# Altium PCB Mosaic-Alto.PcbDoc (part 2 of 2)
Units mm, origin at the board's own origin, x right, y up, seen from the top; angles counter-clockwise.
Board outline 95 x 75 mm, 4 copper layers (L1, L2, L3, L4), stack 1.546 mm thick; 121 components, 132 nets, 908 pads, 395 vias.
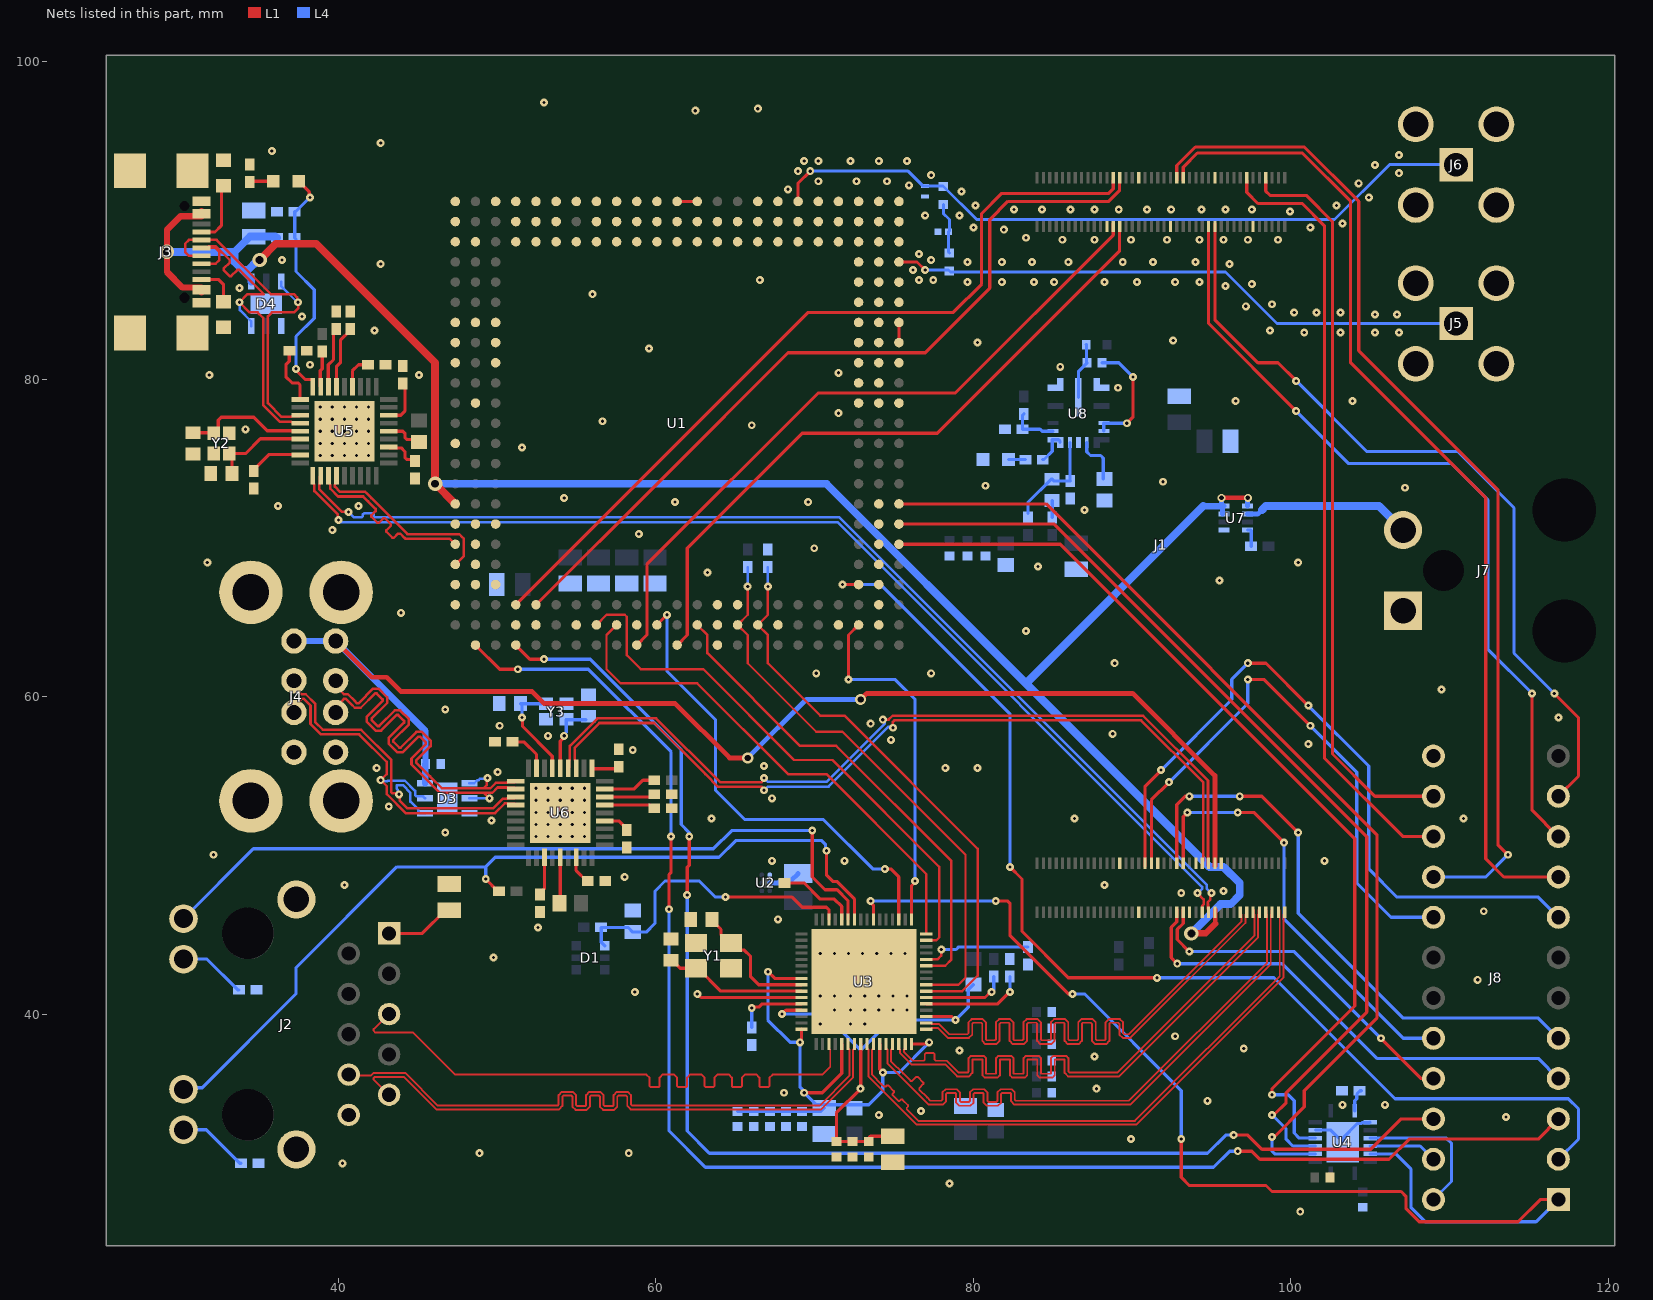
[diagram p4: the nets of this part, all layers, seen from the top]

## Via types
v1: diameter 0.5, hole 0.2, L1 to L4, 378 vias
v2: diameter 0.9, hole 0.5, L1 to L4, 9 vias
v3: diameter 0.6, hole 0.3, L1 to L4, 4 vias
v4: diameter 0.5, hole 0.3, L1 to L4, 2 vias
v5: diameter 0.7, hole 0.4, L1 to L4, 2 vias

## Nets (pads, with @x,y where several pads share a name; then routed paths per layer and width w, separated by ;. In a path a pad name is that pad's centre, name@x,y a point inside that pad or via, vN(x,y) a via of type N, cw(c..) or ccw(c..) an arc to the next point about the centre after c; other vN are vias at no path point) (continued)
ETH_1C_P: J2.P5 U3.3 | length 39.4
  L1 w0.12: J2.P5@43.18,40.005 42.229,39.054 42.229,38.955 42.34,38.844 44.722,38.844 47.371,36.195 58.31,36.195 59.401,36.195 59.609,35.986 59.609,35.473 59.672,35.411 60.175,35.411 60.237,35.473 60.237,36.002 60.438,36.203 61.136,36.203 61.337,36.002 61.337,35.473 61.4,35.411 61.903,35.411 61.965,35.473 61.965,36.002 62.166,36.203 62.864,36.203 63.065,36.002 63.065,35.473 63.128,35.411 63.631,35.411 63.693,35.473 63.693,36.002 63.894,36.203 64.592,36.203 64.793,36.002 64.793,35.473 64.856,35.411 65.359,35.411 65.421,35.473 65.421,36.002 65.622,36.203 66.32,36.203 66.521,36.002 66.521,35.473 66.584,35.411 67.087,35.411 67.149,35.473 67.149,35.986 67.358,36.195 68.542,36.195 70.485,36.195 70.986,36.696 70.986,37.764 70.904,37.846 U3.3@70.904,38.125
ETH_1D_N: J2.P9 U3.7 | length 39.9
  L1 w0.12: J2.P9@43.18,34.925 42.229,35.876 42.229,35.975 42.299,36.046 44.139,36.046 46.176,34.008 53.68,34.008 53.907,34.008 54.116,34.216 54.116,34.805 54.178,34.868 54.681,34.868 54.744,34.805 54.744,34.17 54.945,33.969 55.643,33.969 55.844,34.17 55.844,34.805 55.906,34.868 56.409,34.868 56.472,34.805 56.472,34.17 56.673,33.969 57.371,33.969 57.572,34.17 57.572,34.805 57.634,34.868 58.137,34.868 58.2,34.805 58.2,34.216 58.408,34.008 58.801,34.008 70.41,34.008 72.422,36.02 72.422,37.764 72.504,37.846 U3.7@72.504,38.125
ETH_1D_P: J2.P8 U3.6 | length 39.7
  L1 w0.12: J2.P8@40.64,36.195 40.693,36.142 42.062,36.142 42.202,36.282 44.236,36.282 46.274,34.244 53.68,34.244 53.809,34.244 53.88,34.314 53.88,34.903 54.081,35.104 54.779,35.104 54.98,34.903 54.98,34.268 55.042,34.205 55.545,34.205 55.608,34.268 55.608,34.903 55.809,35.104 56.507,35.104 56.708,34.903 56.708,34.268 56.77,34.205 57.273,34.205 57.336,34.268 57.336,34.903 57.537,35.104 58.235,35.104 58.436,34.903 58.436,34.314 58.506,34.244 58.801,34.244 70.312,34.244 72.186,36.118 72.186,37.764 72.104,37.846 U3.6@72.104,38.125
ETH_2A_N: J1.3 U3.10 | length 37.5
  L1 w0.12: U3.10@73.704,38.125 73.704,37.846 73.622,37.764 73.622,36.186 74.208,35.6 74.373,35.434 74.473,35.434 74.549,35.51 74.638,35.51 74.993,35.155 74.993,35.066 74.912,34.985 74.912,34.896 75.267,34.541 75.356,34.541 75.437,34.622 75.526,34.622 75.881,34.267 75.881,34.178 75.805,34.102 75.805,34.003 76.292,33.516 76.534,33.274 90.17,33.274 99.293,42.397 99.293,46.269 99.266,46.296 99.266,46.554 J1.3@99.211,46.609
ETH_2A_P: J1.1 U3.9 | length 37.7
  L1 w0.12: U3.9@73.304,38.125 73.304,37.846 73.386,37.764 73.386,36.088 76.436,33.038 90.268,33.038 99.529,42.299 99.529,46.269 99.556,46.296 99.556,46.554 J1.1@99.611,46.609
ETH_2B_N: J1.7 U3.13 | length 37.4
  L1 w0.12: U3.13@74.904,38.125 74.904,37.846 74.822,37.764 74.822,37.018 75.567,36.273 76.049,35.791 76.148,35.791 76.405,36.048 76.493,36.048 76.849,35.693 76.849,35.604 76.592,35.347 76.592,35.248 77.079,34.761 77.296,34.544 77.851,34.544 77.98,34.544 78.05,34.614 78.05,35.07 78.251,35.271 78.949,35.271 79.15,35.07 79.15,34.531 79.213,34.468 79.716,34.468 79.778,34.531 79.778,35.07 79.979,35.271 80.677,35.271 80.878,35.07 80.878,34.531 80.941,34.468 81.444,34.468 81.506,34.531 81.506,35.07 81.707,35.271 82.405,35.271 82.606,35.07 82.606,34.614 82.677,34.544 82.817,34.544 89.789,34.544 98.493,43.248 98.493,46.269 98.466,46.296 98.466,46.554 J1.7@98.411,46.609
ETH_2B_P: J1.5 U3.12 | length 37.3
  L1 w0.12: U3.12@74.504,38.125 74.504,37.846 74.586,37.764 74.586,36.92 77.198,34.308 77.851,34.308 78.078,34.308 78.286,34.517 78.286,34.972 78.349,35.035 78.852,35.035 78.914,34.972 78.914,34.433 79.115,34.232 79.813,34.232 80.014,34.433 80.014,34.972 80.077,35.035 80.58,35.035 80.642,34.972 80.642,34.433 80.843,34.232 81.541,34.232 81.742,34.433 81.742,34.972 81.805,35.035 82.308,35.035 82.37,34.972 82.37,34.517 82.579,34.308 82.817,34.308 89.887,34.308 98.729,43.15 98.729,46.269 98.756,46.296 98.756,46.554 J1.5@98.811,46.609
ETH_2C_N: J1.11 U3.15 | length 37.3
  L1 w0.12: U3.15@75.704,38.125 75.704,37.846 75.622,37.764 75.622,37.635 76.191,37.066 76.864,37.066 76.934,37.136 76.934,37.49 76.997,37.552 77.499,37.552 77.562,37.49 77.562,37.136 77.632,37.066 78.32,37.066 78.33,37.066 79.074,36.322 79.502,36.322 79.631,36.322 79.701,36.392 79.701,37.233 79.84,37.372 80.663,37.372 80.801,37.233 80.801,36.247 81.429,36.247 81.429,37.233 81.568,37.372 82.391,37.372 82.529,37.233 82.529,36.247 83.157,36.247 83.157,37.233 83.296,37.372 84.119,37.372 84.257,37.233 84.257,36.247 84.885,36.247 84.885,37.233 85.024,37.372 85.847,37.372 85.985,37.233 85.985,36.392 86.056,36.322 87.503,36.322 89.074,36.322 97.693,44.941 97.693,46.155 97.693,46.269 97.666,46.296 97.666,46.554 J1.11@97.611,46.609
ETH_2C_P: J1.9 U3.14 | length 37.3
  L1 w0.12: U3.14@75.304,38.125 75.304,37.846 75.386,37.764 75.386,37.537 76.093,36.83 78.232,36.83 78.976,36.086 79.502,36.086 79.729,36.086 79.937,36.295 79.937,37.136 80.565,37.136 80.565,36.149 80.704,36.011 81.527,36.011 81.665,36.149 81.665,37.136 82.293,37.136 82.293,36.149 82.432,36.011 83.255,36.011 83.393,36.149 83.393,37.136 84.021,37.136 84.021,36.149 84.16,36.011 84.983,36.011 85.121,36.149 85.121,37.136 85.749,37.136 85.749,36.295 85.958,36.086 87.503,36.086 89.172,36.086 97.929,44.843 97.929,46.058 97.929,46.269 97.956,46.296 97.956,46.554 J1.9@98.011,46.609
ETH_2D_N: J1.15 U3.18 | length 37.4
  L1 w0.12: U3.18@77.028,39.45 77.308,39.45 77.39,39.368 77.851,39.368 78.483,38.735 79.492,38.735 79.621,38.735 79.691,38.805 79.691,39.493 79.892,39.694 80.59,39.694 80.791,39.493 80.791,38.417 80.854,38.354 81.356,38.354 81.419,38.417 81.419,39.493 81.62,39.694 82.318,39.694 82.519,39.493 82.519,38.417 82.582,38.354 83.084,38.354 83.147,38.417 83.147,39.493 83.348,39.694 84.046,39.694 84.247,39.493 84.247,38.417 84.31,38.354 84.812,38.354 84.875,38.417 84.875,39.493 85.076,39.694 85.774,39.694 85.975,39.493 85.975,38.417 86.038,38.354 86.54,38.354 86.603,38.417 86.603,39.493 86.804,39.694 87.502,39.694 87.703,39.493 87.703,38.417 87.766,38.354 88.268,38.354 88.331,38.417 88.331,39.493 88.532,39.694 89.23,39.694 89.431,39.493 89.431,38.805 89.502,38.735 89.746,38.735 89.789,38.735 96.893,45.839 96.893,46.269 96.866,46.296 96.866,46.554 J1.15@96.811,46.609
ETH_2D_P: J1.13 U3.17 | length 37.8
  L1 w0.12: U3.17@77.028,39.05 77.308,39.05 77.39,39.132 77.753,39.132 78.386,38.499 79.492,38.499 79.719,38.499 79.927,38.708 79.927,39.395 79.99,39.458 80.493,39.458 80.555,39.395 80.555,38.319 80.756,38.118 81.454,38.118 81.655,38.319 81.655,39.395 81.718,39.458 82.22,39.458 82.283,39.395 82.283,38.319 82.484,38.118 83.182,38.118 83.383,38.319 83.383,39.395 83.446,39.458 83.948,39.458 84.011,39.395 84.011,38.319 84.212,38.118 84.91,38.118 85.111,38.319 85.111,39.395 85.174,39.458 85.676,39.458 85.739,39.395 85.739,38.319 85.94,38.118 86.638,38.118 86.839,38.319 86.839,39.395 86.902,39.458 87.404,39.458 87.467,39.395 87.467,38.319 87.668,38.118 88.366,38.118 88.567,38.319 88.567,39.395 88.63,39.458 89.132,39.458 89.195,39.395 89.195,38.708 89.404,38.499 89.746,38.499 89.887,38.499 97.129,45.741 97.129,46.269 97.156,46.296 97.156,46.554 J1.13@97.211,46.609
ETH_ISET: R2.2 U3.60 | length 4.5
  L1 w0.2: v1(66.04,40.386) 66.097,40.443 66.484,40.443 66.69,40.65 67.808,40.65 U3.60@69.18,40.65
  L4 w0.2: R2.2@66.04,39.158 v1(66.04,40.386)
ETH_LED2_0: J2.P13 R3.2 U3.42 | length 55.6
  L1 w0.2: v1@49.276,48.514 v1(49.286,48.514) 50.048,47.752 R3.2@50.123,47.752 ; v1(70.739,50.292) 70.739,48.768 71.142,48.365 71.396,48.365 72.504,47.257 U3.42@72.504,45.974
  L4 w0.2: J2.P13@30.23,35.265 30.332,35.367 31.43,35.367 37.338,41.275 37.338,42.926 43.688,49.276 49.276,49.276 ; v1(49.286,48.514) 49.286,49.266 49.276,49.276 ; v1(70.739,50.292) 70.682,50.349 70.682,50.7 70.455,50.927 65.024,50.927 63.979,49.882 49.882,49.882 49.276,49.276
ETH_LED2_1: J2.P11 U3.43 | length 48.9
  L1 w0.2: v1(69.85,51.562) 69.85,48.641 70.651,47.84 71.413,47.84 72.104,47.149 U3.43@72.104,45.974
  L4 w0.2: J2.P11@30.25,46.015 34.654,50.419 63.627,50.419 64.77,51.562 v1(69.85,51.562)
ETH_PME_N: R9.2 U3.44 | length 5
  L1 w0.2: R9.2@68.114,48.26 69.342,48.26 70.358,47.244 71.247,47.244 71.704,46.787 U3.44@71.704,45.974
ETH_RST_N: C30.1 D1.1 R15.2 U3.46 | length 19.6
  L1 w0.2: v1(64.389,47.371) 68.58,47.371 69.215,46.736 70.739,46.736 70.904,46.571 U3.46@70.904,45.974
  L4 w0.2: D1.1@56.78,44.311 56.557,44.534 R15.2@56.557,45.466 58.248,45.466 C30.1@58.547,45.167 59.391,45.167 59.944,45.72 59.944,47.752 60.579,48.387 62.738,48.387 63.754,47.371 v1(64.389,47.371)
EVENTA_1V8: U1.AC6 U4.5 | length 59.7
  L1 w0.2: U1.AC6@75.311,69.596 85.471,69.596 104.013,51.054 104.013,40.513 98.806,35.306 v1(98.806,34.925)
  L4 w0.2: v1(98.806,34.925) 99.822,34.925 100.203,34.544 100.203,32.512 100.518,32.197 U4.5@101.538,32.197
EVENTB_1V8: U1.AC7 U4.4 | length 61.6
  L1 w0.2: U1.AC7@75.311,70.866 85.09,70.866 104.775,51.181 104.775,40.132 99.695,35.052 99.695,34.417 98.933,33.655 v1(98.806,33.655)
  L4 w0.2: v1(98.806,33.655) 99.695,32.766 99.695,32.121 100.119,31.697 U4.4@101.538,31.697
GND: C1.2 C2.2 C3.2 C4.2 C5.2 C6.2 C7.2 C8.2 C9.2 C10.2 C11.2 C12.2 C13.2 C14.2 C15.2 C16.2 C17.2 C18.2 C19.2 C20.2 C21.2 C22.2 C23.2 C24.2 C25.2 C26.2 C27.2 C28.2 C29.2 C30.2 C32.1 C33.1 C34.2 C35.2 C37.2 C38.2 C39.2 C40.2 C41.2 C42.2 C44.2 C45.2 C46.2 C47.2 D2.2 D3.3 D3.7 D4.4 D4.7 D6.1 J1.22 J1.30 J1.31 J1.42 J1.47 J1.54 J1.104 J1.113 J1.124 J1.137 J1.150 J2.P10 J2.S1 J2.S2 J3.A1 J3.A12 J3.B1 J3.B12 J3.MP1 J3.MP2 J3.MP3 J3.MP4 J4.4A J4.4B J4.MP1 J4.MP2 J4.MP3 J4.MP4 J5.2 J5.3 J5.4 J5.5 J6.2 J6.3 J6.4 J6.5 J7.1 J8.13 R2.1 R4.1 R6.1 R8.1 R10.2 R11.2 R14.2 R16.2 R17.2 R19.2 R20.2 R21.2 R22.2 R23.2 R24.1 R25.1 R26.2 R27.2 R28.2 R29.2 R30.2 R31.2 R32.2 R35.2 R36.2 R40.2 R42.2 U1.A3 U1.A4 U1.A7 U1.A15 U1.A16 U1.A17 U1.A21 U1.A22 U1.A23 U1.AA13 U1.AA14 U1.AA15 U1.AA16 U1.AA17 U1.AA18 U1.AA19 U1.AA20 U1.AA21 U1.AA22 U1.AA23 U1.AB2 U1.AB3 U1.AB4 U1.AB5 U1.AB6 U1.AB7 U1.AB8 U1.AB13 U1.AB14 U1.AB15 U1.AB16 U1.AB17 U1.AB18 U1.AB19 U1.AB20 U1.AB21 U1.AB22 U1.AB23 U1.AC13 U1.AC15 U1.AC18 U1.AC19 U1.AC21 U1.AC22 U1.AC23 U1.B4 U1.B5 U1.B6 U1.B7 U1.B13 U1.B17 U1.B21 U1.C4 U1.C7 U1.C15 U1.C16 U1.C17 U1.C23 U1.D2 U1.D21 U1.D22 U1.D23 U1.E2 U1.E21 U1.E22 U1.E23 U1.F21 U1.F22 U1.F23 U1.G2 U1.G21 U1.G23 U1.H21 U1.H22 U1.H23 U1.J21 U1.J22 U1.J23 U1.K2 U1.K21 U1.K22 U1.K23 U1.L21 U1.L22 U1.L23 U1.M21 U1.M22 U1.N21 U1.N22 U1.P1 U1.P2 U1.P3 U1.P21 U1.P22 U1.R3 U1.R21 U1.R22 U1.T21 U1.T22 U1.T23 U1.U2 U1.U21 U1.U22 U1.U23 U1.V21 U1.V22 U1.W21 U1.W22 U1.W23 U1.Y2 U1.Y21 U1.Y22 U1.Y23 U2.C2 U3.59 U3.65 U4.6 U4.10 U4.17 U5.37 U6.37 U7.1 U8.3 U8.9 U8.11 U8.17 U8.18 Y1.2 Y1.4 Y2.2 Y2.4 Y3.2 Y3.4 | length 11.1
  L1 w0.2: v1(62.611,41.275) 62.836,41.05 U3.59@69.18,41.05
  L4 w0.2: U4.6@101.538,32.697 102.513,32.697 U4.17@103.263,31.947 103.263,32.197 104.188,33.122 104.438,33.122 104.473,33.157 104.948,33.157 U4.10@104.988,33.197
  other v1: 100.584,27.559 78.486,29.337 40.259,30.607 48.895,31.242 58.293,31.242 89.916,32.131 113.538,33.528 74.041,33.655 76.708,33.909 103.251,34.29 105.918,34.29 94.742,34.544 68.072,35.052 87.757,35.306 87.63,37.338 79.121,37.719 97.028,37.846 92.71,38.608 70.358,39.37 72.263,39.37 73.152,39.37 71.247,40.259 72.263,40.259 73.152,40.259 74.041,40.259 74.93,40.259 75.819,40.259 70.358,41.148 71.247,41.148 72.263,41.148 73.152,41.148 74.041,41.148 74.93,41.148 75.819,41.148 58.674,41.402 111.76,42.164 49.784,43.561 70.358,43.815 71.247,43.815 72.136,43.815 73.025,43.815 73.914,43.815 74.803,43.815 75.692,43.815 52.578,45.466 67.691,45.974 112.141,46.482 93.091,47.625 95.758,47.752 40.386,48.133 88.265,48.133 58.039,48.641 67.31,49.657 71.882,49.657 102.108,49.657 32.131,50.038 52.451,51.181 53.213,51.181 53.975,51.181 54.737,51.181 55.499,51.181 46.736,51.435 52.451,51.943 53.213,51.943 53.975,51.943 54.737,51.943 55.499,51.943 49.657,52.197 63.5,52.324 86.36,52.324 110.871,52.324 53.981,52.673 52.451,52.705 53.213,52.705 54.737,52.705 55.499,52.705 43.18,53.086 52.451,53.467 53.213,53.467 53.975,53.467 54.737,53.467 55.499,53.467 67.31,53.594 52.451,54.229 53.213,54.229 53.975,54.229 54.737,54.229 55.499,54.229 50.038,55.245 42.418,55.499 78.232,55.499 80.264,55.499 66.802,55.626 58.547,56.642 101.092,57.023 74.803,57.277 53.213,57.531 88.773,57.658 50.165,58.166 73.533,58.293 116.84,58.674 46.736,59.182 109.474,60.452 70.104,61.468 77.343,61.468 88.9,62.103 83.312,64.135 43.942,65.278 95.504,67.31 63.246,67.818 84.074,68.199 31.75,68.453 100.457,68.453 69.977,69.342 58.928,70.231 39.624,70.485 86.995,71.755 36.195,72.009 41.275,72.009 61.214,72.263 69.596,72.263 54.229,72.517 107.188,73.152 80.772,73.279 91.948,73.533 38.862,75.184 39.624,75.184 40.386,75.184 41.148,75.184 41.91,75.184 51.562,75.692 38.862,75.946 39.624,75.946 40.386,75.946 41.148,75.946 41.91,75.946 38.862,76.708 39.624,76.708 40.392,76.716 41.148,76.708 41.91,76.708 34.163,76.835 66.04,77.089 56.642,77.343 38.862,77.47 39.624,77.47 40.386,77.47 41.148,77.47 41.91,77.47 71.501,77.851 38.862,78.232 39.624,78.232 40.386,78.232 41.148,78.232 41.91,78.232 96.52,78.613 103.886,78.613 89.103,79.451 31.877,80.264 45.085,80.264 71.501,80.391 85.471,80.772 38.227,80.899 59.563,81.915 80.264,82.296 92.583,82.423 100.838,82.931 103.124,82.931 105.283,82.931 106.807,82.931 42.291,83.058 98.679,83.058 37.719,83.947 105.283,84.074 106.68,84.074 100.203,84.201 101.6,84.201 103.124,84.201 97.155,84.582 98.806,84.709 56.007,85.344 33.782,85.725 95.885,85.852 97.536,85.979 79.629,86.106 81.788,86.106 83.82,86.106 85.09,86.106 88.265,86.106 90.297,86.106 92.71,86.106 94.234,86.106 66.548,86.233 76.581,86.233 77.47,86.233 76.2,86.868 42.672,87.249 96.139,87.249 79.629,87.376 81.788,87.376 83.693,87.376 85.979,87.376 89.408,87.376 91.313,87.376 93.98,87.376 36.449,87.503 77.343,87.503 76.581,87.884 85.598,88.773 87.63,88.773 89.916,88.773 92.202,88.773 94.234,88.773 95.758,88.773 97.282,88.773 99.187,88.773 83.312,88.9 81.915,89.408 80.01,89.535 101.219,89.535 103.251,89.789 76.962,90.297 79.121,90.297 99.949,90.551 82.55,90.678 84.328,90.678 86.106,90.678 87.63,90.678 89.154,90.678 90.932,90.678 92.456,90.678 94.361,90.678 95.885,90.678 97.536,90.678 80.137,90.932 102.87,90.932 104.902,91.44 79.248,91.821 68.326,91.948 75.946,92.202 104.267,92.329 70.231,92.456 72.644,92.456 74.549,92.456 77.343,92.837 106.807,92.964 68.961,93.091 105.283,93.472 69.342,93.726 70.231,93.726 72.263,93.726 74.041,93.726 75.819,93.726 106.807,94.107 35.814,94.361 42.672,94.869 62.484,96.901 66.421,97.028 52.959,97.409
I2C_SCL0: J1.46 J8.8 | length 45.4
  L1 w0.2: J1.46@90.811,49.319 90.811,54.362 v1(91.821,55.372) ; v1(97.282,62.103) 98.425,62.103 v1(101.092,59.436)
  L4 w0.2: v1(91.821,55.372) 96.266,59.817 96.266,61.087 v1(97.282,62.103) ; v1(101.092,59.436) 104.902,55.626 104.902,49.149 106.68,47.371 115.57,47.371 J8.8@116.84,46.101
I2C_SCL1: J1.127 J8.9 | length 63
  L1 w0.2: J1.127@93.211,92.499 93.211,93.338 94.107,94.234 100.711,94.234 103.759,91.186 103.759,81.026 112.268,72.517 112.268,49.784 113.411,48.641 J8.9@116.84,48.641
I2C_SDA0: J1.44 J8.17 | length 36.3
  L1 w0.2: J1.44@91.211,49.319 91.211,53.492 v1(92.329,54.61) ; v1(97.282,61.087) 98.298,61.087 v1(101.219,58.166)
  L4 w0.2: v1(92.329,54.61) 97.282,59.563 v1(97.282,61.087) ; v1(101.219,58.166) 104.14,55.245 104.14,48.26 106.299,46.101 J8.17@108.97,46.101
I2C_SDA1: J1.125 J8.16 | length 64.6
  L1 w0.2: J1.125@92.811,92.499 92.811,93.446 93.98,94.615 100.838,94.615 104.267,91.186 104.267,81.788 113.03,73.025 113.03,50.673 v1(113.665,50.038)
  L4 w0.2: J8.16@108.97,48.641 112.268,48.641 v1(113.665,50.038)
MOS_EVA: J8.24 U4.12 | length 9.4
  L1 w0.2: J8.24@108.97,28.321 J8.24@108.97,28.444
  L4 w0.2: U4.12@104.988,32.197 109.789,32.197 110.109,31.877 110.109,29.464 108.97,28.325 J8.24@108.97,28.321
MOS_EVB: J8.23 U4.13 | length 4.3
  L4 w0.2: U4.13@104.988,31.697 108.134,31.697 J8.23@108.97,30.861
MOS_GP1: J8.2 U1.AA4 | length 72.3
  L1 w0.2: v1(71.755,67.056) U1.AA4@72.771,67.056 ; v1(82.296,49.276) 83.058,48.514 83.058,45.212 85.979,42.291 v1(91.567,42.291)
  L4 w0.2: v1(71.755,67.056) 74.168,67.056 82.296,58.928 v1(82.296,49.276) ; v1(91.567,42.291) 98.933,42.291 106.553,34.671 117.475,34.671 118.11,34.036 118.11,32.131 J8.2@116.84,30.861
MOS_nRST: U1.A11
MOS_PPS: J8.1 U3.39 U4.14 | length 73.9
  L1 w0.2: v1(73.533,47.117) 73.533,47.036 73.704,46.865 U3.39@73.704,45.974 ; v1(81.407,47.117) 82.169,47.117 82.296,46.99 82.296,44.958 85.979,41.275 v1(86.233,41.275) ; v1(93.091,32.131) 93.091,29.718 93.599,29.21 98.425,29.21 98.806,28.829 106.934,28.829 107.251,28.512 107.251,27.75 108.077,26.924 114.3,26.924 115.697,28.321 J8.1@116.84,28.321
  L4 w0.2: v1(73.533,47.117) v1(81.407,47.117) ; v1(86.233,41.275) 86.995,41.275 93.091,35.179 v1(93.091,32.131) ; U4.14@104.988,31.197 106.598,31.197 107.569,30.226 107.569,27.813 108.458,26.924 115.443,26.924 J8.1@116.84,28.321
MOS_RX1: J8.3 U1.B1 | length 97.7
  L1 w0.2: U1.B1@48.641,63.246 50.165,61.722 v1(51.308,61.722) ; v1(60.833,46.609) 60.833,48.803 60.96,48.93 v1(60.96,51.181) ; v1(96.647,31.369) 97.536,31.369 98.044,30.861 106.172,30.861 107.442,32.131 115.57,32.131 J8.3@116.84,33.401
  L4 w0.2: v1(51.308,61.722) 55.753,61.722 60.96,56.515 v1(60.96,51.181) ; v1(60.833,46.609) 60.833,32.639 63.119,30.353 95.123,30.353 96.139,31.369 v1(96.647,31.369)
MOS_RX3: J1.106 U1.K1 | length 44
  L1 w0.2: U1.K1@58.801,63.246 59.436,63.881 59.436,68.326 70.231,79.121 78.867,79.121 88.811,89.065 J1.106@88.811,89.789
MOS_RX4: J1.105 U1.D3 | length 51.6
  L1 w0.2: U1.D3@51.181,65.786 69.596,84.201 78.74,84.201 80.518,85.979 80.518,90.424 81.788,91.694 88.519,91.694 88.811,91.986 J1.105@88.811,92.499
MOS_TX1: J8.22 U1.D1 | length 86.6
  L1 w0.2: U1.D1@51.181,63.246 52.07,62.357 v1(52.959,62.357) ; v1(61.976,47.498) 61.976,49.247 62.103,49.374 v1(62.103,51.181) ; v1(96.393,32.385) 97.282,32.385 98.171,31.496 105.029,31.496 106.934,33.401 J8.22@108.97,33.401
  L4 w0.2: v1(52.959,62.357) 55.88,62.357 61.595,56.642 61.595,51.943 62.103,51.435 v1(62.103,51.181) ; v1(61.976,47.498) 61.976,32.639 63.373,31.242 94.742,31.242 95.885,32.385 v1(96.393,32.385)
MOS_TX3: J1.108 U1.M1 | length 43.1
  L1 w0.2: U1.M1@61.341,63.246 61.976,63.881 61.976,69.342 69.215,76.581 77.724,76.581 89.211,88.068 J1.108@89.211,89.789
MOS_TX4: J1.107 U1.E3 | length 50.7
  L1 w0.2: U1.E3@52.451,65.786 60.363,73.698 68.326,81.661 76.962,81.661 81.026,85.725 81.026,90.043 82.169,91.186 88.519,91.186 89.211,91.878 J1.107@89.211,92.499
NetC4_1: C4.1 C5.1 C6.1 C7.1 L3.1 U3.8 U3.19 U3.61 | length 31.2
  L1 w0.2: v1(67.945,40.005) 68.19,40.25 U3.61@69.18,40.25 ; U3.8@72.904,38.125 72.902,38.124 72.902,35.31 v1(72.898,35.306) 71.374,33.782 C4.1@71.374,31.976 72.263,31.976 73.152,31.976 73.182,31.976 73.362,32.156 73.362,32.164 73.514,32.316 C7.1@74.549,32.316 ; U3.19@77.028,39.85 78.641,39.85 v1(78.867,39.624)
  L4 w0.2: v1(67.945,40.005) 70.612,40.005 72.898,37.719 ; v1(72.898,35.306) 72.898,37.719 ; L3.1@80.01,41.872 79.673,41.535 79.673,40.43 v1(78.867,39.624) 74.803,39.624 72.898,37.719
NetC8_1: C8.1 C9.1 C10.1 C11.1 C12.1 C13.1 L2.1 U3.5 U3.11 U3.16 U3.56 U3.64 | length 35.9
  L1 w0.2: v1(67.056,42.672) 67.478,42.25 U3.56@69.18,42.25 ; v1(69.088,38.227) 69.18,38.319 U3.64@69.18,39.05 ; v1(69.342,35.052) 70.485,35.052 71.704,36.271 U3.5@71.704,38.125 ; U3.11@74.104,38.125 74.104,36.513 v1(74.295,36.322) ; U3.16@76.104,38.125 77.114,38.125 v1(77.216,38.227)